# KiCad board Inkplate 6 SS_panel.kicad_pcb (continued)
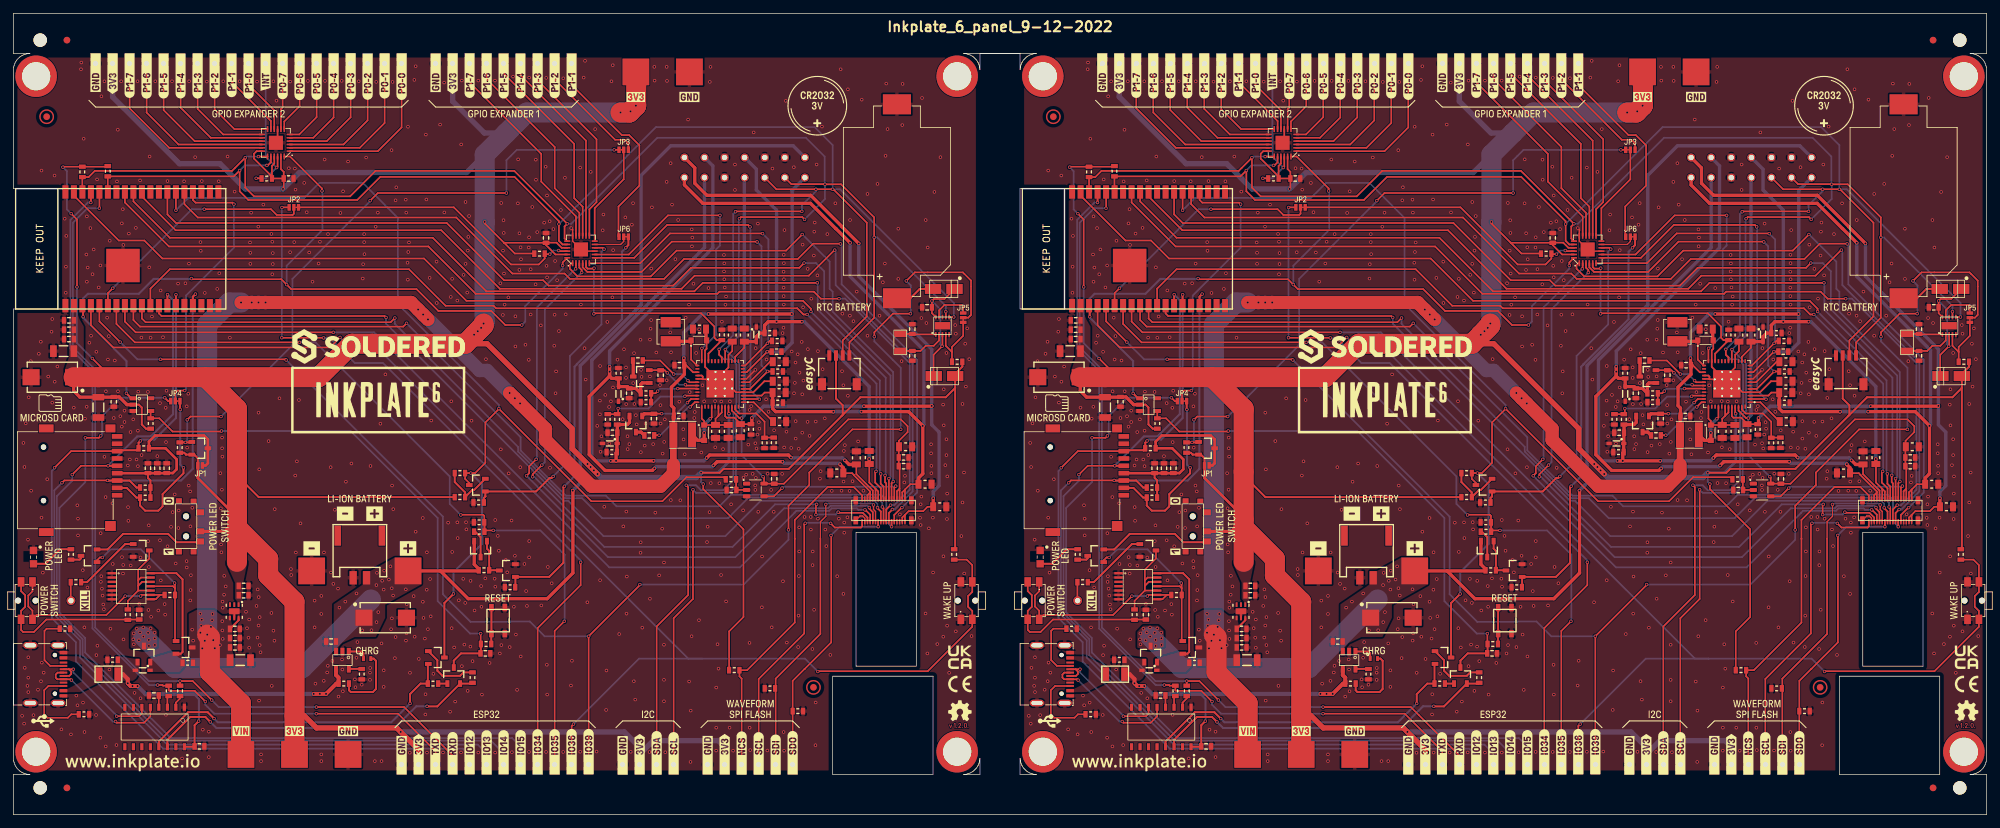
[diagram p0: board, top side]
## Routing (per net, layer and track width the routed paths; a pad name or vN(x,y) marks a point on that pad's centre or on a via; arc(x,y) is an arc through that point) (continued)
Board_0-GPIO15: length 125.9
  Top w0.254: v1(10.75,56.34) 12.76,56.34 v1(13.05,56.63) ; JP4.3 23.11,61.83 v1(22.61,62.33)
  Bottom w0.254: v1(22.61,62.33) 15.99,62.33 13.24,59.58 13.24,56.82 v1(13.05,56.63) ; v1(10.75,56.34) 10.75,49.73 6.87,45.85 6.87,30.25 10.72,26.4 10.72,24.25 23.52,11.45 74.52,11.45 75.78,10.19 K29#2.1
Board_0-GPIO_0: length 161.1
  Top w0.254: v1(24.28,90.36) U12#2.25 ; Q9.3 68.11,49.58 67.49,50.21 R28.1 68.98,51.07 70.51,52.6 70.51,58.63 72.53,60.65 v1(72.53,60.71) 72.53,60.68 86.35,46.86 96.96,46.86 100.55,50.45 106.12,50.45 R50#2.1
  Top w0.3: Q7.3 64.39,31.64 v1(65.75,33)
  Bottom w0.254: v1(24.28,90.36) 26.12,92.2 43.45,92.2 45.7,94.45 52.2,94.45 57.44,89.21 57.44,76.34 72.53,61.25 v1(72.53,60.71)
  Bottom w0.3: v1(65.75,33) 65.75,36.23 70.01,40.49 70.01,49.39 v1(68.33,51.07)
Board_0-GPIO_0_MOSFET: length 51.4
  Top w0.254: U8#2.10 88.05,84.75 v1(88.25,84.55)
  Top w0.3: R29#2.2 70.29,47.36 70.52,47.59 70.51,47.6 Q9.1 78.09,48.32 80.11,50.34 80.41,50.34 v1(80.64,50.57)
  Bottom w0.254: v1(88.25,84.55) 87.86,84.16 87.86,73.3 83.14,68.58 83.14,53.07 v1(80.64,50.57)
Board_0-GPIO_36: length 202.2
  Top w0.254: v1(120.18,21.4) 120.23,21.45 136.61,21.45 143.25,28.09 SW3#2.2 143.25,30.45 142.63,31.08 142.63,32.68 143.25,33.3 SW3#2.2 143.25,37.3 142.43,38.13 R31.1 ; v1(83.68,13.53) 83.4,13.25 K28#2.1 ; v1(48.8,71.35) 47.3,69.85 14.9,69.85 11.58,73.17 U12#2.4
  Bottom w0.254: v1(120.18,21.4) 118.26,23.32 102.88,23.32 ; v1(48.8,71.35) 49.7,70.45 53.7,70.45 100.83,23.32 102.88,23.32 ; 102.88,23.32 93.47,23.32 v1(83.68,13.53)
Board_0-GPIO_39: length 229.6
  Top w0.254: v1(133.4,79.8) 134.68,81.08 141.85,81.08 143.08,79.85 143.08,74.73 142.65,74.3 JP5.2 ; v1(15.95,70.65) 12.85,73.75 U12#2.5 ; v1(128.63,71.48) 128.63,72.13 131.4,74.9 v1(134.03,74.9) ; v1(93.6,34.4) 93.6,34.33 v1(85.94,26.67) K27#2.1 ; v1(132.58,57.6) 125.35,57.6 118.9,51.15 118.9,49.28 115.8,46.18 v1(115.8,42.58) ; v1(21.98,68.08) 40.65,68.08 v1(40.75,67.98)
  Bottom w0.254: v1(93.6,34.4) 109.1,34.4 115.8,41.1 v1(115.8,42.58) ; v1(128.63,71.48) 128.63,70.75 132.58,66.8 v1(132.58,57.6) ; v1(134.03,74.9) 134.08,74.95 134.08,79.13 v1(133.4,79.8) ; v1(85.94,26.67) 79.36,26.67 77.15,28.88 74.28,28.88 74.23,28.83 68.3,28.83 64.18,32.95 64.18,44.55 v1(40.75,67.98) ; v1(21.98,68.08) 18.53,68.08 v1(15.95,70.65)
Board_0-I2C_SCL: length 305.3
  Top w0.254: v1(36.61,98.39) 36.62,98.4 U9.19 ; K5#2.1 98.64,29.36 101.53,32.25 v1(101.53,48.58) ; K8.1 124.9,70.6 128.6,74.3 128.6,89.3 123.65,94.25 v1(121.25,94.25) 121.23,94.27 116.23,94.27 K1#2.6 ; v1(118.2,89) 117.86,89.34 108.71,89.34 v1(108.47,89.1) ; U8#2.19 82.35,86.15 82.35,87.94 v1(82.75,88.34) 74.84,96.25 54.1,96.25 50.3,92.45 35.95,92.45 34.64,93.76 v1(34.64,98.23) 32.66,96.25 12.16,96.25 11.24,95.33 R1.1 10.3,93.11 U12#2.36 ; U1.17 106.34,69.52 v1(106.36,69.54) ; v1(139.3,75.2) U10#2.7
  Bottom w0.254: v1(128.6,86.3) 129.05,86.3 139.3,76.05 v1(139.3,75.2) ; v1(34.64,98.23) 34.8,98.39 v1(36.61,98.39) ; v1(108.47,89.1) 108.38,89.01 108.38,71.56 v1(106.36,69.54) 108.47,67.43 108.47,60.33 107.95,59.81 107.95,49.11 106.95,48.11 102,48.11 v1(101.53,48.58) ; v1(118.2,89) 121.25,92.05 v1(121.25,94.25) 121.2,94.3 121.2,98.4 118.4,101.2 96.2,101.2 83.34,88.34 v1(82.75,88.34)
Board_0-I2C_SDA: length 321.2
  Top w0.254: U1.18 105.84,68.37 105.44,68.76 v1(105.44,69.57) ; U8#2.20 82.05,85.25 81.5,85.8 v1(81.5,88.3) 81.5,88.72 74.87,95.35 54.83,95.35 51.38,91.9 35.1,91.9 33.8,93.2 v1(33.8,96.3) 32.93,95.43 R4#2.1 14.1,93.12 U12#2.33 ; K1#2.5 114,93.5 v1(119.9,93.5) v1(122.4,93.5) 122.5,93.5 127.5,88.5 127.5,74.5 123.9,70.9 K8.2 ; U9.20 38.47,97.54 38,97.07 v1(37.87,97.07) ; v1(117.8,90.2) 107.94,90.2 v1(107.88,90.14) ; v1(100.53,49.25) 100.81,48.97 100.81,32.84 96.1,28.13 K9#2.1 ; v1(140.5,74.4) U10#2.6
  Bottom w0.254: v1(119.9,93.5) 119.9,93.22 117.8,91.12 v1(117.8,90.2) ; v1(107.88,90.14) 107.54,89.8 107.54,71.67 v1(105.44,69.57) 105.44,68.78 106.13,68.09 107.27,68.09 108.01,67.36 108.01,60.4 107.57,59.97 107.57,50.01 106.07,48.51 102.72,48.51 101.98,49.25 v1(100.53,49.25) ; v1(81.5,88.3) 96,102.8 119.7,102.8 122.4,100.1 v1(122.4,93.5) 123.5,93.5 140.5,76.5 v1(140.5,74.4) ; v1(33.8,96.3) 34.57,97.07 v1(37.87,97.07)
Board_0-INT: length 54.2
  Top w0.254: v1(110.05,87.88) 109.76,88.17 97.67,88.17 92.75,83.25 U8#2.7 ; U1.2 111.4,62.15 v1(111.45,62.1)
  Bottom w0.254: v1(111.45,62.1) 110.12,63.43 110.12,87.81 v1(110.05,87.88)
Board_0-IO34: length 36.2
  Top w0.254: v1(14.85,78.7) 14.12,77.97 U12#2.6 ; v1(28.52,90.52) 38.48,90.52 39.34,89.66 41.72,89.66 41.9,89.84 JP2.2
  Bottom w0.254: v1(28.52,90.52) 26.67,90.52 v1(14.85,78.7)
Board_0-MANUAL_RST: length 79.6
  Top w0.254: U6.4 20.5,59.27 R46#2.1 21.81,59.26 23.78,57.28 31.02,57.28 v1(31.1,57.36) ; v1(69.81,27.07) 69.81,25.55 R30.2
  Top w0.3: R30.2 69.85,24.17 C28.2 66.88,24.11 65.79,23.02 Q5#2.3
  Bottom w0.254: v1(31.1,57.36) 50.38,57.36 63.39,44.35 63.39,31.92 68.24,27.07 v1(69.81,27.07)
Board_0-Net-(C16-Pad1): length 2.4
  Top w0.5: D6.3 92.6,67.87 C16#2.1
Board_0-Net-(C17-Pad2): length 1.5
  Top w0.5: C17.2 93.77,57.2 D9.3
Board_0-Net-(C26-Pad2): length 1.8
  Top w0.254: U5#2.4 21.72,16.07 C26#2.2
Board_0-Net-(C27-Pad2): length 26.2
  Top w0.254: SW1.2 1.15,33.42 1.76,32.81 1.76,31.07 1.15,30.46 SW1.2 1.15,27.61 1.46,27.3 3.05,27.3 4.92,29.17 C27#2.2
Board_0-Net-(C35-Pad2): length 3
  Top w0.254: U7.2 109.54,48.55 108.25,48.55 107.98,48.82 R50#2.2
Board_0-Net-(D7-Pad1): length 10.5
  Top w0.3: D7#2.1 53.84,23.33 54.17,23 54.17,18.79 53.7,18.32 50.41,18.32 50.14,18.6 R9.2
Board_0-Net-(D7-Pad2): length 3.1
  Top w0.3: U2#2.1 52.04,24.39 52.3,24.13 D7#2.2
Board_0-Net-(D8-Pad1): length 6.5
  Top w0.3: D8#2.1 4.8,37.5 6.98,39.68 R14#2.2
Board_0-Net-(D11-Pad1): length 6
  Top w0.3: K14#2.+ 134,77.2 135.4,78.6 D11#2.1
Board_0-Net-(JP2-Pad3): length 112.2
  Top w0.254: K17.1 78.32,27.9 84.75,34.33 v1(84.75,37.73) ; v1(40.13,90.78) 40.15,90.8 JP2.3 ; v1(40.1,71.3) 46.33,71.3 v1(46.35,71.28)
  Bottom w0.254: v1(84.75,37.73) 84.75,38 55.23,67.53 51,67.53 47.28,71.25 46.38,71.25 v1(46.35,71.28) ; v1(40.1,71.3) 40.1,90.75 v1(40.13,90.78)
Board_0-Net-(JP3-Pad2): length 15.4
  Top w0.254: U8#2.12 86.85,90.67 91.18,95 JP3.2
Board_0-Net-(JP3-Pad3): length 18.3
  Top w0.254: K33#2.1 80.86,109.94 89.9,100.9 91.33,100.9 91.88,100.35 JP3.3
Board_0-Net-(JP4-Pad1): length 26.4
  Top w0.3: JP4.1 24.89,60.61 v1(24.93,60.58) ; K13#2.2 16.94,48.85 18.39,47.4 R47.1 18.93,46.21 19.68,45.45 21.65,45.45 22.29,46.09 22.29,47.92 25.41,51.04 v1(25.41,51.86)
  Bottom w0.3: v1(25.41,51.86) 24.93,52.34 24.93,60.57 v1(24.93,60.58)
Board_0-Net-(JP5-Pad1): length 9.6
  Top w0.254: 140.23,69.18 139.3,70.1 U10#2.4 ; 140.23,69.18 R33#2.1 ; 140.23,69.18 140.23,69.93 141.9,71.6 JP5.1
Board_0-Net-(JP6-Pad2): length 5.2
  Top w0.2: U8#2.11 90.73,85.25 91.18,85.71 JP6.2
Board_0-Net-(JP6-Pad3): length 32.1
  Top w0.254: JP6.3 90.4,86.48 90.4,90.92 93.53,94.05 93.53,100.08 92,101.6 90.9,101.6 83.4,109.1 K34.1
Board_0-Net-(K3-PadA5): length 10
  Top w0.254: R13#2.1 4.97,27.8 4.64,27.47 4.64,23.1 5.5,22.24 K3#2.A5
Board_0-Net-(K3-PadB5): length 12.4
  Top w0.254: R12#2.1 8.65,15 8.13,14.48 5.09,14.48 4.6,14.97 4.6,18.6 5.24,19.24 K3#2.B5
Board_0-Net-(K4-Pad1): length 2.8
  Top w0.254: K4.1 8.57,32.04 R21#2.2
Board_0-Net-(K10-Pad1): length 45
  Top w0.254: v1(129.2,43.05) K15.22 ; K10.1 116.42,20 118.21,21.79 118.22,21.79 122.19,25.76 122.19,41.72 v1(122.15,41.75)
  Bottom w0.254: v1(129.2,43.05) 123.45,43.05 v1(122.15,41.75)
Board_0-Net-(K11-Pad1): length 51.9
  Top w0.2: 120.57,41.27 120.57,43.79 121.38,44.6 v1(121.38,46.38) ; K15.24 128.8,45.33 128.5,45.63 v1(128.5,46.3)
  Top w0.254: K11#2.1 113.88,20.33 120.57,27.02 120.57,41.27
  Bottom w0.2: v1(121.38,46.38) 121.53,46.53 128.28,46.53 v1(128.5,46.3)
Board_0-Net-(K12-Pad1): length 53.9
  Top w0.254: K15.33 126.8,47.73 125.55,48.98 121.66,48.98 116.74,44.06 116.74,41.24 116.74,41.24 116.74,28.72 109.63,21.6 R36#2.2 108.48,20.68 108.8,20.35 K12#2.1
Board_0-Net-(K15-Pad34): length 48.5
  Top w0.254: K15.34 126.8,43.1 126.63,42.93 122.72,42.93 v1(122.1,43.55) ; v1(118.31,43.56) 118.15,43.4 118.15,27.09 111.34,20.28 K16#2.1
  Bottom w0.254: v1(122.1,43.55) 122.1,43.56 122.02,43.64 118.39,43.64 v1(118.31,43.56)
Board_0-Net-(K35-Pad1): length 27.8
  Top w0.254: U9.1 54.45,99.2 58,102.75 K35.1
Board_0-Net-(K36-Pad1): length 24.6
  Top w0.254: U9.2 51.75,99.7 55.46,103.41 K36.1
Board_0-Net-(K37-Pad1): length 21.6
  Top w0.254: K37#2.1 52.92,103.8 49.32,100.2 U9.3
Board_0-Net-(K38-Pad1): length 18.6
  Top w0.254: U9.4 46.82,100.7 50.38,104.26 K38.1
Board_0-Net-(K39-Pad1): length 15.9
  Top w0.254: U9.5 44.81,101.2 47.84,104.23 K39#2.1
Board_0-Net-(K40-Pad1): length 13.1
  Top w0.254: U9.6 42.71,101.7 45.3,104.29 K40#2.1
Board_0-Net-(K41-Pad1): length 10.7
  Top w0.254: U9.7 40.47,103.64 42.76,105.93 K41#2.1
Board_0-Net-(K42-Pad1): length 9.9
  Top w0.254: U9.8 39.97,105.48 40.22,105.73 K42#2.1
Board_0-Net-(K43-Pad1): length 11.4
  Top w0.254: K43.1 35.16,109.11 38.97,105.3 U9.10
Board_0-Net-(K44-Pad1): length 12.2
  Top w0.254: K44.1 32.6,109.58 38.47,103.71 U9.11
Board_0-Net-(K45-Pad1): length 16
  Top w0.254: U9.12 33.02,102.5 30.06,105.46 K45#2.1
Board_0-Net-(K46-Pad1): length 18
  Top w0.254: K46.1 27.52,105.52 31.34,101.7 U9.13
Board_0-Net-(K47-Pad1): length 20.6
  Top w0.254: K47.1 24.98,105.71 29.49,101.2 U9.14
Board_0-Net-(K48-Pad1): length 23.6
  Top w0.254: K48#2.1 22.44,105.34 27.08,100.7 U9.15
Board_0-Net-(K49-Pad1): length 26.6
  Top w0.254: K49.1 19.9,104.97 24.67,100.2 U9.16
Board_0-Net-(K50-Pad1): length 28.9
  Top w0.254: K50#2.1 17.36,105.61 23.27,99.7 U9.17
Board_0-Net-(K53-Pad1): length 22.5
  Top w0.254: R51#2.2 37.05,95.14 v1(36.27,95.14) ; v1(39.32,96.75) 39.47,96.9 U9.22
  Bottom w0.254: K53#2.1 37.7,98.37 v1(39.32,96.75) 37.71,95.14 v1(36.27,95.14)
Board_0-Net-(Q1-Pad1): length 6
  Top w0.3: Q3.3 72.56,36.54 R11.1 71.09,39.44 70.75,39.77 Q1#2.1
Board_0-Net-(Q1-Pad3): length 4.3
  Top w0.3: Q1#2.3 69.8,41.5 69,42.3 R16#2.2 68.85,42.28
Board_0-Net-(Q2-Pad2): length 16.8
  Top w0.3: 27.77,40.72 24.38,40.72 23.12,41.98 16.39,41.98 14.06,39.65 Q2.2
Board_0-Net-(Q2-Pad3): length 2
  Top w0.3: R14#2.1 9.91,38.13 10.1,38.32 Q2.3
Board_0-Net-(Q5-Pad1): length 1.4
  Top w0.3: Q5#2.1 R19#2.1
Board_0-Net-(Q6-Pad1): length 10.1
  Top w0.3: Q6#2.1 16.7,40.45 11.01,34.76 R21#2.1
Board_0-Net-(Q6-Pad3): length 16.1
  Top w0.254: 18.64,35.03 19.06,35.45 U4#2.13 ; 18.64,35.03 18.64,34.21 ; 18.64,35.03 18.64,36.63 20.3,38.29 Q6#2.3 ; 18.64,34.21 19.23,34.8 U4#2.12 ; 18.64,34.21 18.64,33.5 ; R26.2 17.1,31.96 18.64,33.5 ; 18.64,33.5 U4#2.10
Board_0-Net-(Q7-Pad1): length 9.3
  Top w0.3: R22.1 67.25,21.27 66.74,20.76 64.1,20.76 63.34,21.52 63.34,23.09 Q7.1
Board_0-Net-(Q9-Pad2): length 8.4
  Top w0.3: R28.2 65.94,49.73 67.49,48.18 R27#2.1 68.57,48.55 68.84,48.55 Q9.2
Board_0-Net-(R10-Pad1): length 1.9
  Top w0.3: R10.1 52.04,21.79 U2#2.5
Board_0-Net-(R25-Pad1): length 29.1
  Top w0.254: v1(16.71,32.67) 13.89,29.85 3.5,29.85 SW1.1 2.85,30.49 2.22,31.12 2.22,32.76 2.85,33.39 SW1.1 ; 21.92,32.85 21.27,32.2 U4#2.8 ; 21.92,32.85 U4#2.9 19.18,32.85 v1(19.01,32.68) ; 21.92,32.85 22.59,32.85 R25.1
  Bottom w0.254: v1(16.71,32.67) 17.15,32.67 17.16,32.68 v1(19.01,32.68)
Board_0-Net-(R30-Pad1): length 5.5
  Top w0.3: R30.1 71.4,27.04 SW2.2 SW2.2
Board_0-PWR_GOOD: length 44.1
  Top w0.254: U1.24 102.84,69.7 v1(102.86,69.72) ; v1(105.56,89.6) 97.8,89.6 91.95,83.75 U8#2.8
  Bottom w0.254: v1(102.86,69.72) 102.94,69.72 104.98,71.76 104.98,84.51 105.56,85.09 v1(105.56,89.6)
Board_0-PWRUP: length 34.5
  Top w0.254: U1.22 103.84,68.93 105.85,70.94 R7#2.1 105.09,70.96 104.73,71.31 104.73,72.98 102.75,74.96 86.8,74.96 v1(86.72,74.88) ; v1(86.75,81.7) 86.68,81.63 85.79,81.63 85.55,81.87 U8#2.5
  Bottom w0.254: v1(86.72,74.88) 86.72,81.67 v1(86.75,81.7)
Board_0-RST: length 126.6
  Top w0.254: v1(46.1,93.25) 46.1,93.63 41.33,98.4 U9.24 ; v1(26.6,80.15) 26.7,80.05 40.03,80.05 v1(40.83,79.25) 41.5,78.58 60.23,78.58 63.49,75.31 71.39,75.31 73.5,73.2 v1(75.95,73.2) ; U8#2.24 82.06,82.56 v1(82.06,82.11)
  Top w0.3: v1(16.89,62.98) 17.62,62.25 U6.1 ; v1(10.41,74.44) 10.41,76 U12#2.3
  Bottom w0.254: v1(75.95,73.2) 76.48,73.73 76.48,76.04 82.06,81.63 v1(82.06,82.11) ; v1(40.83,79.25) 40.83,82.08 46.18,87.43 46.18,93.18 v1(46.1,93.25)
  Bottom w0.3: v1(16.89,62.98) 16.89,67.82 10.41,74.3 v1(10.41,74.44) 10.4,74.45 10.4,77.15 11.13,77.88 18.73,77.88 20.95,80.1 26.55,80.1 v1(26.6,80.15)
Board_0-RXD: length 132.6
  Top w0.254: v1(45.27,16.08) 58.38,16.08 65.62,8.84 K21.1 ; v1(29.63,17.13) 26.79,19.97 v1(24.9,19.97) R24#2.2 ; U12#2.34 12.86,93.09 12.86,90.69 v1(12.84,90.67)
  Bottom w0.254: v1(12.84,90.67) 11.07,90.67 8.9,88.5 8.9,69.86 12.22,66.54 12.22,27.96 20.21,19.97 v1(24.9,19.97) ; v1(45.27,16.08) 30.68,16.08 v1(29.63,17.13)
Board_0-SD_ENABLE: length 95.3
  Top w0.254: v1(89.76,99.39) 89.77,99.4 JP3.1 ; v1(53.3,91.8) 54.44,92.94 v1(73.66,92.94) ; v1(31.02,59.52) 26.46,59.52 v1(25.97,59.03)
  Top w0.3: R44#2.2 v1(25.7,55.66) 26.59,55.66 Q10#2.1
  Bottom w0.254: v1(73.66,92.94) 73.66,97.84 75.21,99.39 v1(89.76,99.39) ; v1(53.3,91.8) 53.3,91.72 41.69,80.11 41.69,70.19 v1(31.02,59.52) ; v1(25.97,59.03) 25.97,55.93 v1(25.7,55.66)
Board_0-SPI_CS: length 41.3
  Top w0.254: U12#2.23 26.82,91.9 27.22,91.5 32.73,91.5 v1(32.95,91.28) ; v1(25.6,63.4) 24.5,63.4 24.19,63.09 JP4.2
  Bottom w0.254: v1(32.95,91.28) 32.94,91.27 32.94,84.76 25.8,77.62 25.8,63.6 v1(25.6,63.4)
Board_0-SPI_MISO: length 138.4
  Top w0.254: K13#2.7 8.63,54.35 v1(6.15,51.87)
  Top w0.3: K13#2.7 15.63,54.48 18.41,54.48 R49.1 18.7,55.6 v1(18.98,55.88) ; v1(24.29,77.74) 24.28,77.73 U12#2.14
  Bottom w0.254: K25#2.1 68.16,8.84 67.14,9.86 22.37,9.86 9.35,22.88 9.35,25.77 5.73,29.39 5.73,51.35 6.15,51.77 v1(6.15,51.87)
  Bottom w0.3: v1(24.29,77.74) 24.29,59.3 21.07,56.08 19.18,56.08 v1(18.98,55.88)
Board_0-SPI_MOSI: length 150.4
  Top w0.254: v1(14.06,49.97) 7.61,49.97 v1(7.26,49.62)
  Top w0.3: v1(27.2,77.83) 26.82,77.45 U12#2.16 ; R48#2.1 18.4,48.9 17.35,49.95 K13#2.3 14.08,49.95 v1(14.06,49.97)
  Bottom w0.254: v1(7.26,49.62) 6.11,48.47 6.11,29.9 9.96,26.05 9.96,23.48 22.97,10.47 69.37,10.47 70.7,9.14 K26#2.1
  Bottom w0.3: v1(27.2,77.83) 26.79,77.42 26.79,51.7 25.04,49.95 14.08,49.95 v1(14.06,49.97)
Board_0-SPI_SCK: length 140.3
  Top w0.254: v1(8.79,50.84) 10.11,52.16 14.13,52.16 v1(14.14,52.15)
  Top w0.3: U12#2.13 23.01,77.74 v1(23.03,77.75) ; v1(14.14,52.15) K13#2.5
  Bottom w0.254: v1(8.79,50.84) 8.79,49.92 6.49,47.62 6.49,30.09 10.34,26.24 10.34,23.82 23.1,11.06 71.34,11.06 73.24,9.16 K22#2.1
  Bottom w0.3: v1(14.14,52.15) 14.14,52.19 18.5,56.55 20.53,56.55 23.86,59.88 23.86,76.92 v1(23.03,77.75)
